# Allegro board STARRYSKY.brd
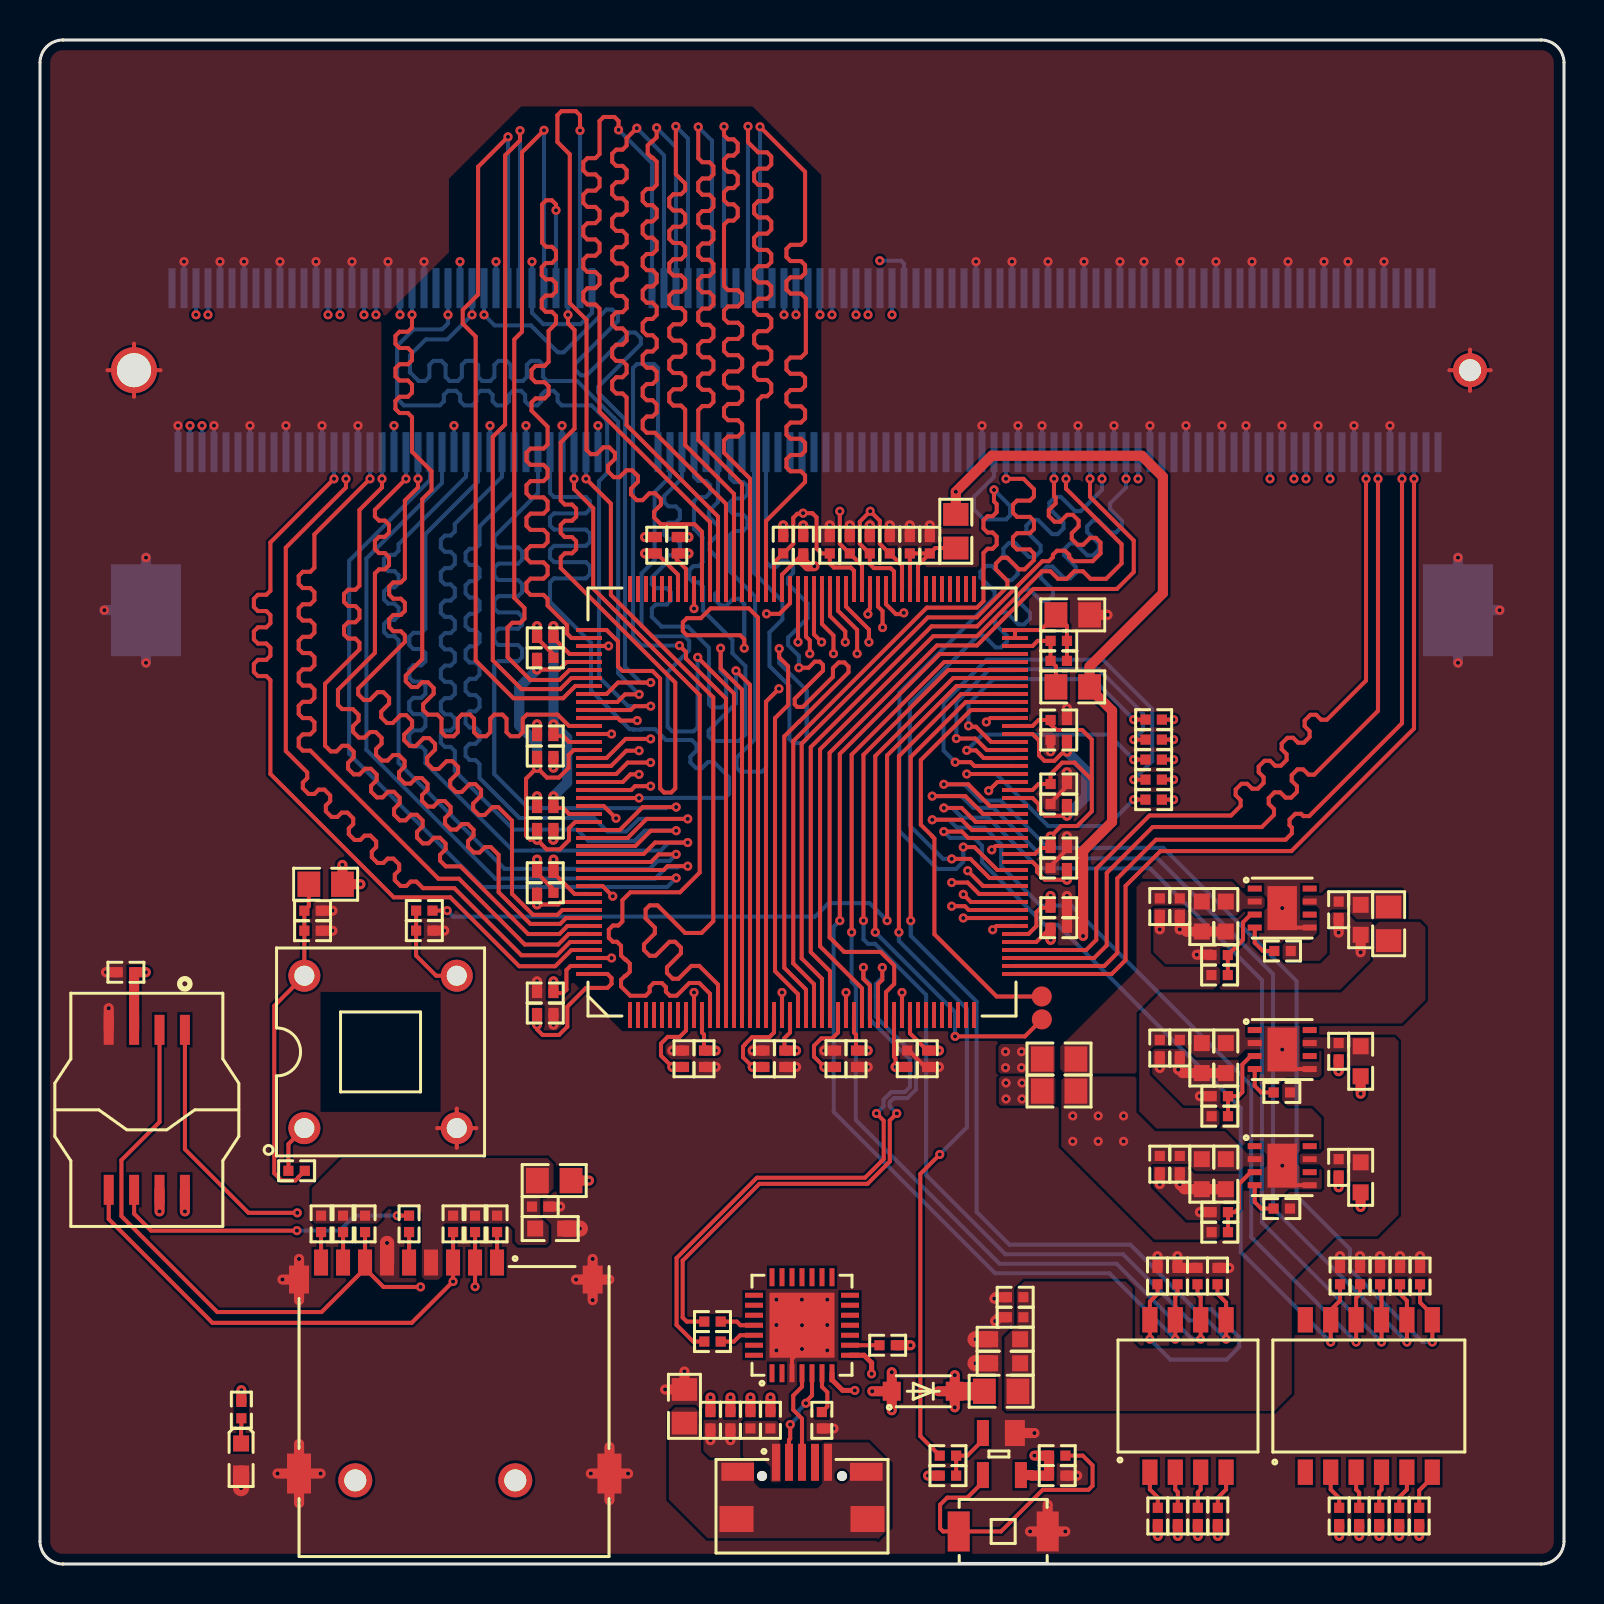
[diagram p0: board, top side]
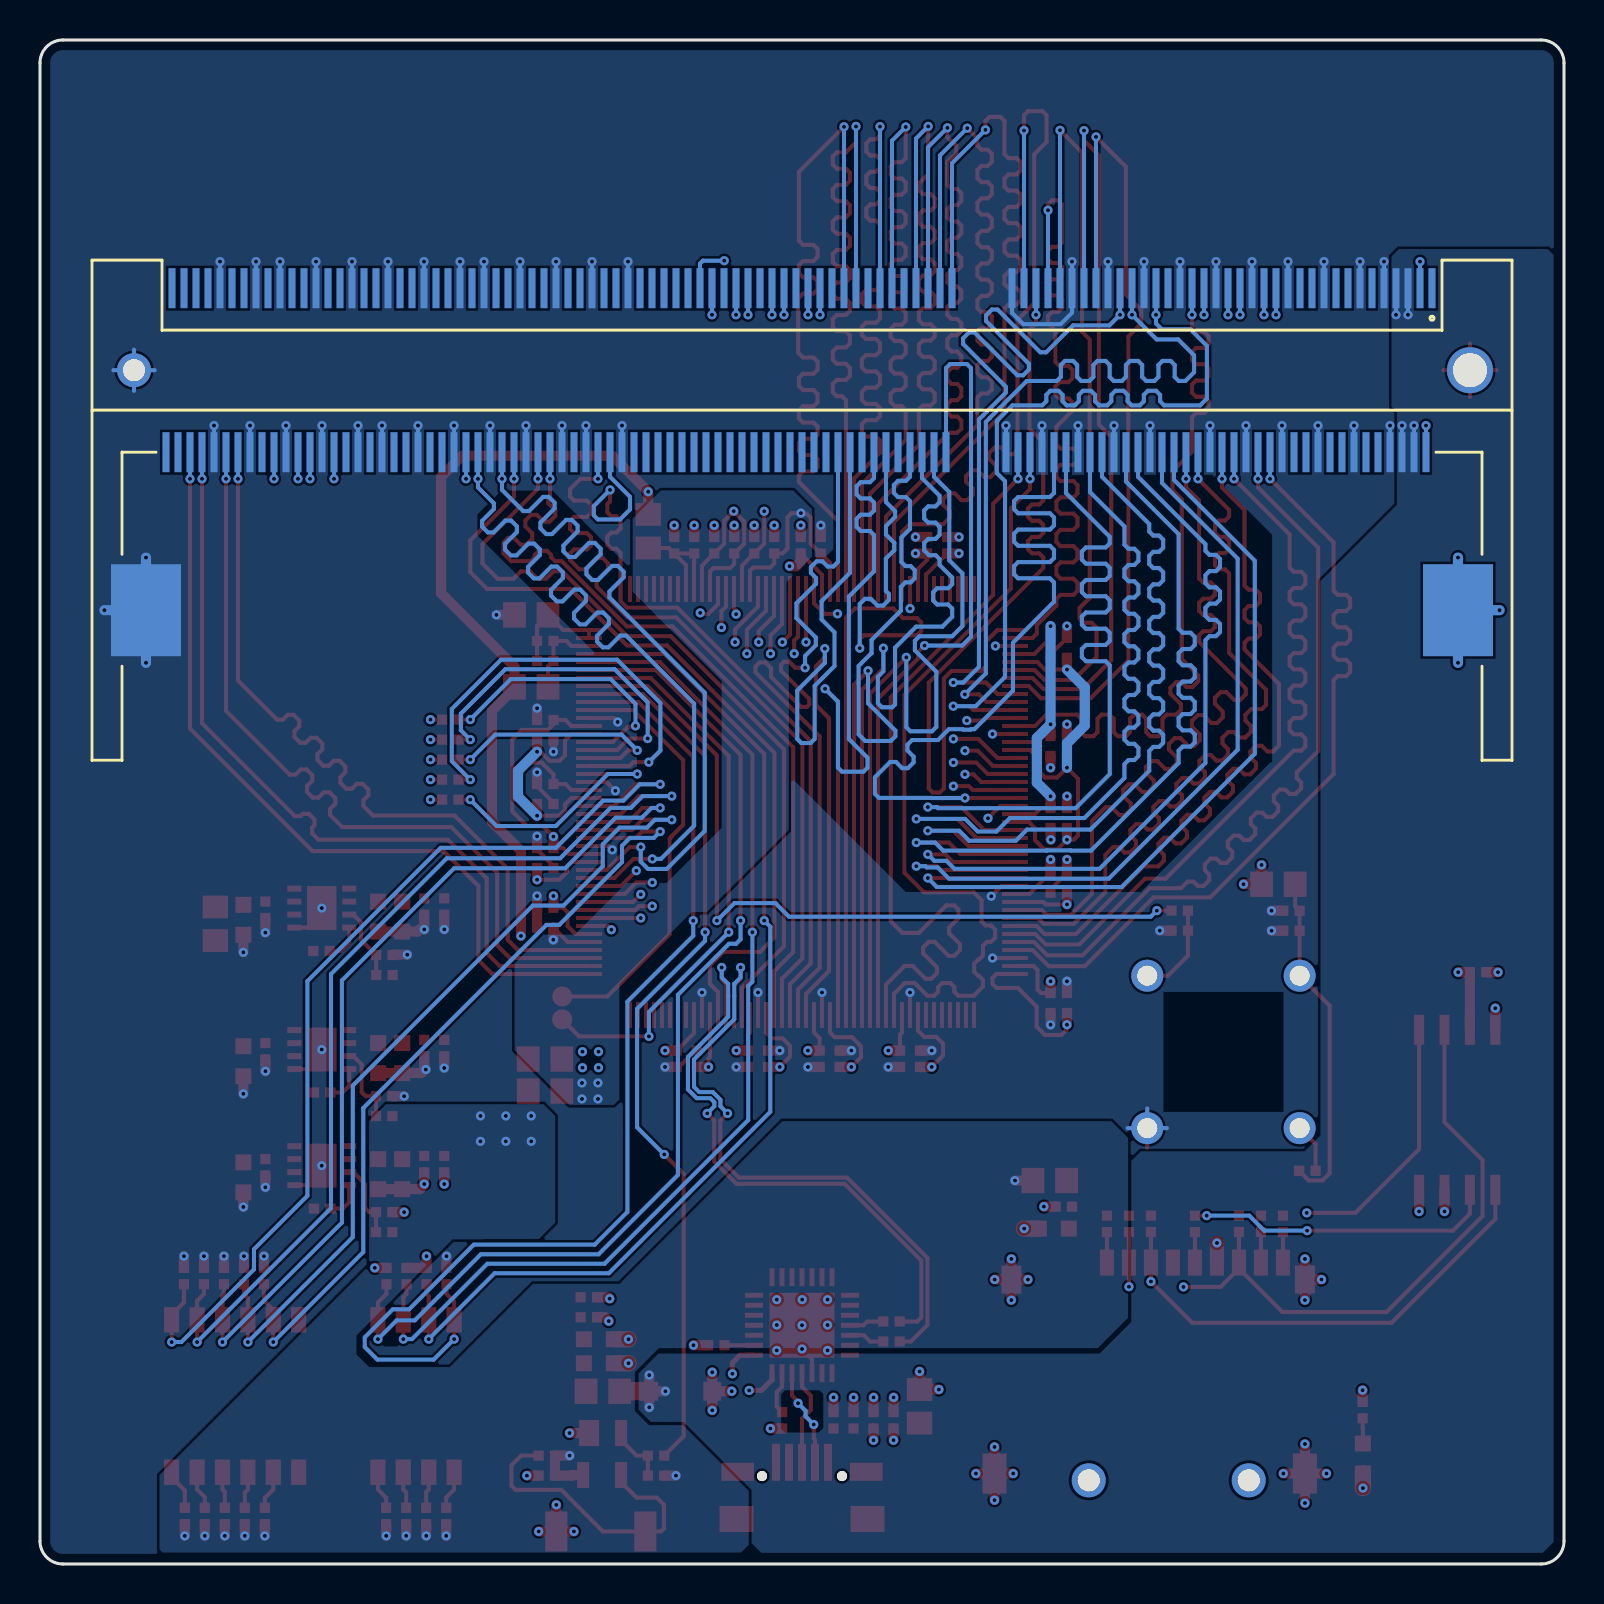
[diagram p1: board, bottom side, seen from below]

Outline 76.2 x 76.2 mm; copper layers: TOP, GND02, ART03, BOTTOM. Coordinates in mm from the lower left corner of the outline.
Outline path: 0,75.06 0,1.14 arc(0.33,0.33) 1.14,0 75.06,0 arc(75.87,0.33) 76.2,1.14 76.2,75.06 arc(75.87,75.87) 75.06,76.2 1.14,76.2 arc(0.33,75.87) 0,75.06

## Design rules (mm)
net group UART_DP: nets UART_RX UART_TX
net group USB_DP: nets USB_D+ USB_D-
net group CHIPLINK_MG: nets CHIPLINK_INT CHIPLINK_RX_CLK CHIPLINK_RX_DATA00 CHIPLINK_RX_DATA01 CHIPLINK_RX_DATA02 CHIPLINK_RX_DATA03 CHIPLINK_RX_DATA04 CHIPLINK_RX_DATA05 CHIPLINK_RX_DATA06 CHIPLINK_RX_DATA07 CHIPLINK_RX_DATA08 CHIPLINK_RX_DATA09 CHIPLINK_RX_DATA10 CHIPLINK_RX_DATA11 CHIPLINK_RX_DATA12 CHIPLINK_RX_DATA13 CHIPLINK_RX_DATA14 CHIPLINK_RX_DATA15 CHIPLINK_RX_DATA16 CHIPLINK_RX_DATA17 CHIPLINK_RX_DATA18 CHIPLINK_RX_DATA19 CHIPLINK_RX_DATA20 CHIPLINK_RX_DATA21 CHIPLINK_RX_DATA22 CHIPLINK_RX_DATA23 CHIPLINK_RX_DATA24 CHIPLINK_RX_DATA25 CHIPLINK_RX_DATA26 CHIPLINK_RX_DATA27 CHIPLINK_RX_DATA28 CHIPLINK_RX_DATA29 CHIPLINK_RX_DATA30 CHIPLINK_RX_DATA31 CHIPLINK_RX_RST CHIPLINK_RX_SEND CHIPLINK_TX_CLK CHIPLINK_TX_DATA00 CHIPLINK_TX_DATA01 CHIPLINK_TX_DATA02 CHIPLINK_TX_DATA03 CHIPLINK_TX_DATA04 CHIPLINK_TX_DATA05 CHIPLINK_TX_DATA06 CHIPLINK_TX_DATA07 CHIPLINK_TX_DATA08 CHIPLINK_TX_DATA09 CHIPLINK_TX_DATA10 CHIPLINK_TX_DATA11 CHIPLINK_TX_DATA12 CHIPLINK_TX_DATA13 CHIPLINK_TX_DATA14 CHIPLINK_TX_DATA15 CHIPLINK_TX_DATA16 CHIPLINK_TX_DATA17 CHIPLINK_TX_DATA18 CHIPLINK_TX_DATA19 CHIPLINK_TX_DATA20 CHIPLINK_TX_DATA21 CHIPLINK_TX_DATA22 CHIPLINK_TX_DATA23 CHIPLINK_TX_DATA24 CHIPLINK_TX_DATA25 CHIPLINK_TX_DATA26 CHIPLINK_TX_DATA27 CHIPLINK_TX_DATA28 CHIPLINK_TX_DATA29 CHIPLINK_TX_DATA30 CHIPLINK_TX_DATA31 CHIPLINK_TX_RST CHIPLINK_TX_SEND

## Placement (name value [footprint] x y rotation side)
C1  0.1uF  [C0402]  56.99 19.99 270 top
C2  0.1uF  [C0402]  55.99 19.99 270 top
C3  10uF  [C0603]  58.09 19.49 270 top
C4  10uF  [C0603]  59.29 19.49 270 top
C5  1uF  [C0402]  64.93 19.83 270 top
C6  10uF  [C0603]  66.03 19.33 270 top
C7  15pF  [C0402]  19.22 31.67 0 top
C8  0.1uF  [C0402]  13.63 31.66 0 top
C9  0.1uF  [C0402]  13.63 32.66 0 top
C10  1uF  [C0402]  64.93 25.64 270 top
C11  0.1uF  [C0402]  55.99 25.8 270 top
C12  0.1uF  [C0402]  56.99 25.8 270 top
C13  10uF  [C0603]  58.09 25.3 270 top
C14  10uF  [C0603]  59.29 25.3 270 top
C15  10uF  [C0603]  66.03 25.14 270 top
C16  0.1uF  [C0402]  55.99 32.87 270 top
C17  10uF  [C0603]  66.03 32.21 270 top
C18  0.1uF  [C0402]  56.99 32.87 270 top
C19  10uF  [C0603]  58.09 32.37 270 top
C20  10uF  [C0603]  59.29 32.37 270 top
C21  1uF  [C0402]  64.93 32.71 270 top
C22  10uF  [C0603]  48.26 10.04 180 top
C23  0.1uF  [C0402]  48.76 13.34 180 top
C24  0.1uF  [C0402]  48.76 12.34 180 top
C25  10uF  [C0603]  48.26 11.24 180 top
C26  0.1uF  [C0402]  25.26 36.8 0 top
C27  0.1uF  [C0402]  25.26 45.31 0 top
C28  0.1uF  [C0402]  25.26 33.56 0 top
C29  0.1uF  [C0402]  43.36 25.26 90 top
C30  0.1uF  [C0402]  25.26 40.4 0 top
C31  0.1uF  [C0402]  36.22 25.26 90 top
C32  0.1uF  [C0402]  39.8 25.26 90 top
C33  0.1uF  [C0402]  25.26 27.55 0 top
C34  0.1uF  [C0402]  32.2 25.26 90 top
C35  0.1uF  [C0402]  50.94 31.82 0 top
C36  0.1uF  [C0402]  50.94 38 180 top
C37  0.1uF  [C0402]  50.94 34.8 180 top
C38  0.1uF  [C0402]  25.26 34.56 180 top
C39  0.1uF  [C0402]  25.26 37.8 180 top
C40  0.1uF  [C0402]  25.26 41.4 180 top
C41  0.1uF  [C0402]  50.94 42.2 0 top
C42  0.1uF  [C0402]  25.26 46.31 180 top
C43  0.1uF  [C0402]  33.2 25.26 270 top
C44  0.1uF  [C0402]  37.22 25.26 270 top
C45  0.1uF  [C0402]  40.8 25.26 270 top
C46  0.1uF  [C0402]  44.36 25.26 270 top
C47  0.1uF  [C0402]  50.94 32.82 0 top
C48  0.1uF  [C0402]  50.94 35.8 0 top
C49  0.1uF  [C0402]  50.94 39 0 top
C50  1uF  [C0402]  50.86 4.42 0 top
C51  0.1uF  [C0402]  30.84 50.94 90 top
C52  0.1uF  [C0402]  39.49 50.94 90 top
C53  0.1uF  [C0402]  37.16 50.94 90 top
C54  0.1uF  [C0402]  50.94 41.2 180 top
C55  0.1uF  [C0402]  38.16 50.94 90 top
C56  0.1uF  [C0402]  40.49 50.94 90 top
C57  0.1uF  [C0402]  41.49 50.94 90 top
C58  0.1uF  [C0402]  42.49 50.94 90 top
C59  0.1uF  [C0402]  31.84 50.94 90 top
C60  0.1uF  [C0402]  25.26 28.55 180 top
C61  0.1uF  [C0402]  44.49 50.94 90 top
C62  0.1uF  [C0402]  43.49 50.94 90 top
C63  0.1uF  [C0402]  50.94 46.16 0 top
C64  0.1uF  [C0402]  50.94 45.16 0 top
C65  0.1uF  [C0402]  33.52 7.19 270 top
C66  1uF  [C0402]  34.52 7.19 270 top
C67  1uF  [C0402]  4.3 29.59 180 top
C68  0.1uF  [C0402]  25.01 17.87 0 top
C69  0.1uF  [C0402]  39.09 7.19 270 top
C70  10uF  [C0603]  25.51 16.77 0 top
D1  1N5819  [SOD-123-0R95X0R90]  44.16 8.64 0 top
F1  0805L110SLYR_005  [L0805]  48.06 8.64 0 top
J1  SODIMM-204  [SODIMM-204-2R00X0R35]  38.1 59.69 270 bottom
J2  DIP-OSC  [DIP8-4-7R62X7R62]  17.03 25.6 90 top
J3  USB_MICRO  [USB-MICRO-5-SM]  38.1 3.43 0 top
J4  SD_MICRO  [SD-MICRO-9-SM]  22.85 15.07 0 top
L1  600HM 100MHz 1.5A  [L0805]  14.28 33.99 0 top
L2  600HM 100MHz 1.5A  [L0805]  50.95 23.65 180 top
L3  600HM 100MHz 1.5A  [L0805]  50.95 25.25 180 top
L4  600HM 100MHz 1.5A  [L0805]  67.43 32.01 90 top
L5  600HM 100MHz 1.5A  [L0805]  45.79 51.64 90 top
L6  600HM 100MHz 1.5A  [L0805]  51.64 47.46 0 top
L7  600HM 100MHz 1.5A  [L0805]  51.64 43.86 0 top
L8  600HM 100MHz 1.5A  [L0805]  25.71 19.17 0 top
L9  600HM 100MHz 1.5A  [L0805]  32.22 7.89 270 top
LED1  RED  [LED0603]  10.05 5.28 270 top
R1  56K  [R0402]  58.99 16.59 0 top
R2  330R  [R0402]  10.07 7.7 90 top
R3  33R  [R0402]  19.22 32.67 0 top
R4  1K  [R0402]  62.09 17.77 180 top
R5  10K  [R0402]  58.99 17.59 180 top
R6  4.7K  [R0402]  12.83 19.66 0 top
R7  1K  [R0402]  62.09 23.58 180 top
R8  56K  [R0402]  58.99 22.39 0 top
R9  10K  [R0402]  58.99 23.39 180 top
R10  14K  [R0402]  58.98 29.45 0 top
R11  1K  [R0402]  62.13 30.65 180 top
R12  10K  [R0402]  58.98 30.45 180 top
R13  10K  [R0402]  45.4 4.42 0 top
R14  0R  [R0402]  55.68 38.22 0 top
R15  0R  [R0402]  55.68 39.22 0 top
R16  0R  [R0402]  55.68 40.22 0 top
R17  0R  [R0402]  55.68 41.22 0 top
R18  0R  [R0402]  55.68 42.22 0 top
R19  0R  [R0402]  45.4 5.42 0 top
R20  10K  [R0402]  50.86 5.42 0 top
R21  0R  [R0402]  36.52 7.19 90 top
R22  0R  [R0402]  35.52 7.19 90 top
R23  33R  [R0402]  55.89 2.4 90 top
R24  5K  [R0402]  56.88 14.4 90 top
R25  4.7K  [R0402]  22.85 17.01 270 top
R26  33R  [R0402]  57.89 2.4 90 top
R27  4.7K  [R0402]  21.75 17.01 270 top
R28  5K  [R0402]  58.88 14.4 90 top
R29  4.7K  [R0402]  20.65 17.01 270 top
R30  5K  [R0402]  55.88 14.4 90 top
R31  33R  [R0402]  56.89 2.4 90 top
R32  5K  [R0402]  57.88 14.4 90 top
R33  33R  [R0402]  58.89 2.4 90 top
R34  33R  [R0402]  18.45 17.01 270 top
R35  0R  [R0402]  33.63 12.12 180 top
R36  0R  [R0402]  33.63 11.12 180 top
R37  4.7K  [R0402]  16.25 17.01 270 top
R38  33R  [R0402]  64.96 2.4 90 top
R39  33R  [R0402]  65.96 2.4 90 top
R40  5K  [R0402]  65 14.4 90 top
R41  4.7K  [R0402]  15.15 17.01 270 top
R42  5K  [R0402]  66 14.4 90 top
R43  33R  [R0402]  66.96 2.4 90 top
R44  5K  [R0402]  67 14.4 90 top
R45  4.7K  [R0402]  14.05 17.01 270 top
R46  33R  [R0402]  67.96 2.4 90 top
R47  5K  [R0402]  68 14.4 90 top
R48  33R  [R0402]  68.96 2.4 90 top
R49  5K  [R0402]  69 14.4 90 top
R50  4.7K  [R0402]  42.38 10.94 180 top
SW1  RESET  [SW-2-2R00X1R10-SM]  48.16 1.63 0 top
SW2  SW-CLK  [DIP-SW-4-1R27X0R76-SM]  57.4 8.4 0 top
SW3  SW-CORE  [DIP-SW-6-1R27X0R76-SM]  66.44 8.4 0 top
TP1  CLK4DIV  [TP1X1-1R00-SM]  50.09 28.38 0 top
TP2  OSC_OUT  [TP1X1-1R00-SM]  50.09 27.23 0 top
U1  RT2518GQW  [WDFN-8-0R70X0R30]  62.11 19.92 270 top
U2  RT2518GQW  [WDFN-8-0R70X0R30]  62.11 25.72 270 top
U3  YSYX3-CHIP  [LQFP-176-1R30X0R20]  38.1 38.1 0 top
U4  RT2518GQW  [WDFN-8-0R70X0R30]  62.11 32.8 270 top
U5  MAX811SEUS  [SOT-143-4-1R30X0R60]  47.95 5.5 180 top
U6  CP2102  [QFN-28-0R90X0R25]  38.1 11.94 90 top
U7  ACA-SPI-004-K02  [ACA-SPI-004-K02-SM]  5.34 22.71 0 top

## Library data of the parts
C1-C70 = CAPACITOR-NON-POL
D1 = 1N5819
F1 = FUSE
J1 = SODIMM-204
J2 = DIP8-4
J3 = USB_MICRO
J4 = SD_MICRO
L1-L9 = MAGNETIC-BEAD
LED1 = LED
R1-R50 = RESISTOR
SW1 = BUTTON
SW2 = SW-DIP-4
SW3 = SW-DIP-6
TP1 TP2 = TEST_POINT
U1 U2 U4 = RT2518GQW
U3 = YSYX3-CHIP
U5 = MAX811SEUS
U6 = CP2102
U7 = ACA-SPI-004-K02

## Footprints (pads in the part's own frame, mm; a bottom-side part is the same pattern mirrored in y, then rotated)
ACA-SPI-004-K02-SM
  rect 0.5x1.5 smd: 1(1.905,4) 2(0.635,4) 3(-0.635,4) 4(-1.905,4) 5(-1.905,-4) 6(-0.635,-4) 7(0.635,-4) 8(1.905,-4)
C0402
  rect 0.51x0.51 smd: 1(-0.41,0) 2(0.41,0)
C0603
  rect 0.8x0.8 smd: 1(-0.75,0) 2(0.75,0)
DIP8-4-7R62X7R62
  round 1.6 hole 1: 1(-3.81,3.81) 4(-3.81,-3.81) 5(3.81,-3.81) 8(3.81,3.81)
DIP-SW-4-1R27X0R76-SM
  rect 0.76x1.27 smd: 1(-1.905,-3.81) 2(-0.635,-3.81) 3(0.635,-3.81) 4(1.905,-3.81) 5(1.905,3.81) 6(0.635,3.81) 7(-0.635,3.81) 8(-1.905,3.81)
DIP-SW-6-1R27X0R76-SM
  rect 0.76x1.27 smd: 1(-3.175,-3.81) 2(-1.905,-3.81) 3(-0.635,-3.81) 4(0.635,-3.81) 5(1.905,-3.81) 6(3.175,-3.81) 7(3.175,3.81) 8(1.905,3.81) 9(0.635,3.81) 10(-0.635,3.81) 11(-1.905,3.81) 12(-3.175,3.81)
L0805
  rect 1.14x1.27 smd: 1(-0.84,0) 2(0.84,0)
LED0603
  rect 0.8x0.8 smd: 1(-0.75,0) 2(0.75,0)
LQFP-176-1R30X0R20
  rect 0.2x1.3 smd: 1(-8.6,-10.65) 2(-8.2,-10.65) 3(-7.8,-10.65) 4(-7.4,-10.65) 5(-7,-10.65) 6(-6.6,-10.65) 7(-6.2,-10.65) 8(-5.8,-10.65) 9(-5.4,-10.65) 10(-5,-10.65) 11(-4.6,-10.65) 12(-4.2,-10.65) 13(-3.8,-10.65) 14(-3.4,-10.65) 15(-3,-10.65) 16(-2.6,-10.65) 17(-2.2,-10.65) 18(-1.8,-10.65) 19(-1.4,-10.65) 20(-1,-10.65) 21(-0.6,-10.65) 22(-0.2,-10.65) 23(0.2,-10.65) 24(0.6,-10.65) 25(1,-10.65) 26(1.4,-10.65) 27(1.8,-10.65) 28(2.2,-10.65) 29(2.6,-10.65) 30(3,-10.65) 31(3.4,-10.65) 32(3.8,-10.65) 33(4.2,-10.65) 34(4.6,-10.65) 35(5,-10.65) 36(5.4,-10.65) 37(5.8,-10.65) 38(6.2,-10.65) 39(6.6,-10.65) 40(7,-10.65) 41(7.4,-10.65) 42(7.8,-10.65) 43(8.2,-10.65) 44(8.6,-10.65) 89(8.6,10.65) 90(8.2,10.65) 91(7.8,10.65) 92(7.4,10.65) 93(7,10.65) 94(6.6,10.65) 95(6.2,10.65) 96(5.8,10.65) 97(5.4,10.65) 98(5,10.65) 99(4.6,10.65) 100(4.2,10.65) 101(3.8,10.65) 102(3.4,10.65) 103(3,10.65) 104(2.6,10.65) 105(2.2,10.65) 106(1.8,10.65) 107(1.4,10.65) 108(1,10.65) 109(0.6,10.65) 110(0.2,10.65) 111(-0.2,10.65) 112(-0.6,10.65) 113(-1,10.65) 114(-1.4,10.65) 115(-1.8,10.65) 116(-2.2,10.65) 117(-2.6,10.65) 118(-3,10.65) 119(-3.4,10.65) 120(-3.8,10.65) 121(-4.2,10.65) 122(-4.6,10.65) 123(-5,10.65) 124(-5.4,10.65) 125(-5.8,10.65) 126(-6.2,10.65) 127(-6.6,10.65) 128(-7,10.65) 129(-7.4,10.65) 130(-7.8,10.65) 131(-8.2,10.65) 132(-8.6,10.65)
  rect 1.3x0.2 smd: 45(10.65,-8.6) 46(10.65,-8.2) 47(10.65,-7.8) 48(10.65,-7.4) 49(10.65,-7) 50(10.65,-6.6) 51(10.65,-6.2) 52(10.65,-5.8) 53(10.65,-5.4) 54(10.65,-5) 55(10.65,-4.6) 56(10.65,-4.2) 57(10.65,-3.8) 58(10.65,-3.4) 59(10.65,-3) 60(10.65,-2.6) 61(10.65,-2.2) 62(10.65,-1.8) 63(10.65,-1.4) 64(10.65,-1) 65(10.65,-0.6) 66(10.65,-0.2) 67(10.65,0.2) 68(10.65,0.6) 69(10.65,1) 70(10.65,1.4) 71(10.65,1.8) 72(10.65,2.2) 73(10.65,2.6) 74(10.65,3) 75(10.65,3.4) 76(10.65,3.8) 77(10.65,4.2) 78(10.65,4.6) 79(10.65,5) 80(10.65,5.4) 81(10.65,5.8) 82(10.65,6.2) 83(10.65,6.6) 84(10.65,7) 85(10.65,7.4) 86(10.65,7.8) 87(10.65,8.2) 88(10.65,8.6) 133(-10.65,8.6) 134(-10.65,8.2) 135(-10.65,7.8) 136(-10.65,7.4) 137(-10.65,7) 138(-10.65,6.6) 139(-10.65,6.2) 140(-10.65,5.8) 141(-10.65,5.4) 142(-10.65,5) 143(-10.65,4.6) 144(-10.65,4.2) 145(-10.65,3.8) 146(-10.65,3.4) 147(-10.65,3) 148(-10.65,2.6) 149(-10.65,2.2) 150(-10.65,1.8) 151(-10.65,1.4) 152(-10.65,1) 153(-10.65,0.6) 154(-10.65,0.2) 155(-10.65,-0.2) 156(-10.65,-0.6) 157(-10.65,-1) 158(-10.65,-1.4) 159(-10.65,-1.8) 160(-10.65,-2.2) 161(-10.65,-2.6) 162(-10.65,-3) 163(-10.65,-3.4) 164(-10.65,-3.8) 165(-10.65,-4.2) 166(-10.65,-4.6) 167(-10.65,-5) 168(-10.65,-5.4) 169(-10.65,-5.8) 170(-10.65,-6.2) 171(-10.65,-6.6) 172(-10.65,-7) 173(-10.65,-7.4) 174(-10.65,-7.8) 175(-10.65,-8.2) 176(-10.65,-8.6)
QFN-28-0R90X0R25
  rect 0.9x0.25 smd: 1(-2.4,1.5) 2(-2.4,1) 3(-2.4,0.5) 4(-2.4,0) 5(-2.4,-0.5) 6(-2.4,-1) 7(-2.4,-1.5) 15(2.4,-1.5) 16(2.4,-1) 17(2.4,-0.5) 18(2.4,0) 19(2.4,0.5) 20(2.4,1) 21(2.4,1.5)
  rect 0.25x0.9 smd: 8(-1.5,-2.4) 9(-1,-2.4) 10(-0.5,-2.4) 11(0,-2.4) 12(0.5,-2.4) 13(1,-2.4) 14(1.5,-2.4) 22(1.5,2.4) 23(1,2.4) 24(0.5,2.4) 25(0,2.4) 26(-0.5,2.4) 27(-1,2.4) 28(-1.5,2.4)
  rect 3.25x3.25 smd: 29(0,0)
R0402
  rect 0.51x0.51 smd: 1(-0.41,0) 2(0.41,0)
SD-MICRO-9-SM
  rect 0.7x1.3 smd: 1(0,0) 2(-1.1,0) 3(-2.2,0) 4(-3.3,0) 5(-4.4,0) 6(-5.5,0) 7(-6.6,0) 8(-7.7,0) 9(-8.8,0)
  rect 1x1.4 smd: 10(-9.9,-0.85) 11(4.78,-0.85)
  rect 1.2x2 smd: 12(-9.9,-10.55) 13(5.62,-10.55)
  round 1.7 hole 1.1: 14(-7.09,-10.89) 15(0.91,-10.89)
SOD-123-0R95X0R90
  rect 0.9x0.95 smd: 1(-1.575,0) 2(1.575,0)
SODIMM-204-2R00X0R35
  rect 2x0.35 smd: 1(-4.1,31.5) 2(4.1,31.2) 3(-4.1,30.9) 4(4.1,30.6) 5(-4.1,30.3) 6(4.1,30) 7(-4.1,29.7) 8(4.1,29.4) 9(-4.1,29.1) 10(4.1,28.8) 11(-4.1,28.5) 12(4.1,28.2) 13(-4.1,27.9) 14(4.1,27.6) 15(-4.1,27.3) 16(4.1,27) 17(-4.1,26.7) 18(4.1,26.4) 19(-4.1,26.1) 20(4.1,25.8) 21(-4.1,25.5) 22(4.1,25.2) 23(-4.1,24.9) 24(4.1,24.6) 25(-4.1,24.3) 26(4.1,24) 27(-4.1,23.7) 28(4.1,23.4) 29(-4.1,23.1) 30(4.1,22.8) 31(-4.1,22.5) 32(4.1,22.2) 33(-4.1,21.9) 34(4.1,21.6) 35(-4.1,21.3) 36(4.1,21) 37(-4.1,20.7) 38(4.1,20.4) 39(-4.1,20.1) 40(4.1,19.8) 41(-4.1,19.5) 42(4.1,19.2) 43(-4.1,18.9) 44(4.1,18.6) 45(-4.1,18.3) 46(4.1,18) 47(-4.1,17.7) 48(4.1,17.4) 49(-4.1,17.1) 50(4.1,16.8) 51(-4.1,16.5) 52(4.1,16.2) 53(-4.1,15.9) 54(4.1,15.6) 55(-4.1,15.3) 56(4.1,15) 57(-4.1,14.7) 58(4.1,14.4) 59(-4.1,14.1) 60(4.1,13.8) 61(-4.1,13.5) 62(4.1,13.2) 63(-4.1,12.9) 64(4.1,12.6) 65(-4.1,12.3) 66(4.1,12) 67(-4.1,11.7) 68(4.1,11.4) 69(-4.1,11.1) 70(4.1,10.8) 71(-4.1,10.5) 72(4.1,10.2) 73(-4.1,7.5) 74(4.1,7.2) 75(-4.1,6.9) 76(4.1,6.6) 77(-4.1,6.3) 78(4.1,6) 79(-4.1,5.7) 80(4.1,5.4) 81(-4.1,5.1) 82(4.1,4.8) 83(-4.1,4.5) 84(4.1,4.2) 85(-4.1,3.9) 86(4.1,3.6) 87(-4.1,3.3) 88(4.1,3) 89(-4.1,2.7) 90(4.1,2.4) 91(-4.1,2.1) 92(4.1,1.8) 93(-4.1,1.5) 94(4.1,1.2) 95(-4.1,0.9) 96(4.1,0.6) 97(-4.1,0.3) 98(4.1,0) 99(-4.1,-0.3) 100(4.1,-0.6) 101(-4.1,-0.9) 102(4.1,-1.2) 103(-4.1,-1.5) 104(4.1,-1.8) 105(-4.1,-2.1) 106(4.1,-2.4) 107(-4.1,-2.7) 108(4.1,-3) 109(-4.1,-3.3) 110(4.1,-3.6) 111(-4.1,-3.9) 112(4.1,-4.2) 113(-4.1,-4.5) 114(4.1,-4.8) 115(-4.1,-5.1) 116(4.1,-5.4) 117(-4.1,-5.7) 118(4.1,-6) 119(-4.1,-6.3) 120(4.1,-6.6) 121(-4.1,-6.9) 122(4.1,-7.2) 123(-4.1,-7.5) 124(4.1,-7.8) 125(-4.1,-8.1) 126(4.1,-8.4) 127(-4.1,-8.7) 128(4.1,-9) 129(-4.1,-9.3) 130(4.1,-9.6) 131(-4.1,-9.9) 132(4.1,-10.2) 133(-4.1,-10.5) 134(4.1,-10.8) 135(-4.1,-11.1) 136(4.1,-11.4) 137(-4.1,-11.7) 138(4.1,-12) 139(-4.1,-12.3) 140(4.1,-12.6) 141(-4.1,-12.9) 142(4.1,-13.2) 143(-4.1,-13.5) 144(4.1,-13.8) 145(-4.1,-14.1) 146(4.1,-14.4) 147(-4.1,-14.7) 148(4.1,-15) 149(-4.1,-15.3) 150(4.1,-15.6) 151(-4.1,-15.9) 152(4.1,-16.2) 153(-4.1,-16.5) 154(4.1,-16.8) 155(-4.1,-17.1) 156(4.1,-17.4) 157(-4.1,-17.7) 158(4.1,-18) 159(-4.1,-18.3) 160(4.1,-18.6) 161(-4.1,-18.9) 162(4.1,-19.2) 163(-4.1,-19.5) 164(4.1,-19.8) 165(-4.1,-20.1) 166(4.1,-20.4) 167(-4.1,-20.7) 168(4.1,-21) 169(-4.1,-21.3) 170(4.1,-21.6) 171(-4.1,-21.9) 172(4.1,-22.2) 173(-4.1,-22.5) 174(4.1,-22.8) 175(-4.1,-23.1) 176(4.1,-23.4) 177(-4.1,-23.7) 178(4.1,-24) 179(-4.1,-24.3) 180(4.1,-24.6) 181(-4.1,-24.9) 182(4.1,-25.2) 183(-4.1,-25.5) 184(4.1,-25.8) 185(-4.1,-26.1) 186(4.1,-26.4) 187(-4.1,-26.7) 188(4.1,-27) 189(-4.1,-27.3) 190(4.1,-27.6) 191(-4.1,-27.9) 192(4.1,-28.2) 193(-4.1,-28.5) 194(4.1,-28.8) 195(-4.1,-29.1) 196(4.1,-29.4) 197(-4.1,-29.7) 198(4.1,-30) 199(-4.1,-30.3) 200(4.1,-30.6) 201(-4.1,-30.9) 202(4.1,-31.2) 203(-4.1,-31.5) 204(4.1,-31.8)
  rect 4.6x3.5 smd: MP1(12,32.8) MP2(12,-32.8)
  round 2.3 hole 1.7: MP3(0,33.4)
  round 1.7 hole 1.1: MP4(0,-33.4)
SOT-143-4-1R30X0R60
  rect 1x1.3 smd: 1(-0.8,-1.05)
  rect 0.6x1.3 smd: 2(0.8,-1.05) 3(0.8,1.05) 4(-1.1,1.05)
SW-2-2R00X1R10-SM
  rect 1.1x2 smd: 1(-2.225,0) 2(2.225,0)
TP1X1-1R00-SM
  round 1 smd: 1(0,0)
USB-MICRO-5-SM
  rect 0.4x1.85 smd: 1(-1.3,1.655) 2(-0.65,1.655) 3(0,1.655) 4(0.65,1.655) 5(1.3,1.655)
  rect 1.63x0.9 smd: 6(-3.215,1.18) 7(3.215,1.18)
  rect 1.7x1.3 smd: 8(-3.275,-1.18) 9(3.275,-1.18)
  round 0.51 hole 0.5: 10(-2,0.97) 11(2,0.97)
WDFN-8-0R70X0R30
  rect 0.3x0.7 smd: 1(-0.975,-1.374) 2(-0.325,-1.374) 3(0.325,-1.374) 4(0.975,-1.374) 5(0.975,1.374) 6(0.325,1.374) 7(-0.325,1.374) 8(-0.975,1.374)
  rect 2.2x1.47 smd: 9(0,0)

## Nets
5V_IN: C5.1 C6.1 C10.1 C15.1 C22.1 C23.1 C24.1 C25.1 F1.2 R4.1 R7.1 U1.7(VIN) U2.7(VIN)
5V_VBUS1: C65.1 C66.1 D1.1 R21.2 R22.2 R50.1 U6.7(REGIN) U6.8(VBUS)
5V_VBUS2: D1.2 F1.1 J1.4 J1.5 J1.6 J1.7
GND: C1.2 C2.2 C3.2 C4.2 C5.2 C6.2 C7.2 C8.2 C9.2 C10.2 C11.2 C12.2 C13.2 C14.2 C15.2 C16.2 C17.2 C18.2 C19.2 C20.2 C21.2 C22.2 C23.2 C24.2 C25.2 C26.2 C27.2 C28.2 C29.2 C30.2 C31.2 C32.2 C33.2 C34.2 C35.2 C36.2 C37.2 C38.2 C39.2 C40.2 C41.2 C42.2 C43.2 C44.2 C45.2 C46.2 C47.2 C48.2 C49.2 C50.2 C51.2 C52.2 C53.2 C54.2 C55.2 C56.2 C57.2 C58.2 C59.2 C60.2 C61.2 C62.2 C65.2 C66.2 C67.2 C68.2 C69.2 C70.2 J1.2 J1.3 J1.8 J1.9 J1.13 J1.14 J1.19 J1.20 J1.25 J1.26 J1.31 J1.32 J1.37 J1.38 J1.43 J1.48 J1.49 J1.54 J1.55 J1.60 J1.61 J1.66 J1.71 J1.72 J1.127 J1.128 J1.133 J1.134 J1.138 J1.139 J1.144 J1.145 J1.150 J1.151 J1.155 J1.156 J1.161 J1.162 J1.167 J1.168 J1.172 J1.173 J1.178 J1.179 J1.184 J1.185 J1.189 J1.190 J1.195 J1.196 J1.MP1 J1.MP2 J1.MP3 J1.MP4 J2.4(GND) J4.6(VSS) J4.10(LP1) J4.11(LP2) J4.12(LP3) J4.13(LP4) L6.2 L9.1 LED1.2 R5.2 R9.2 R12.2 R24.2 R28.2 R30.2 R32.2 R40.2 R42.2 R44.2 R47.2 R49.2 SW1.2(P2) U1.5(GND) U1.9(PAD) U2.5(GND) U2.9(PAD) U3.9(VSS#9) U3.20(VSS#20) U3.28(VSS#28) U3.35(VSS#35) U3.51(VSS#51) U3.61(VSS#61) U3.69(VSS#69) U3.77(VSS#77) U3.100(PLL_DVSS12#100) U3.101(PLL_DVSS12#101) U3.102(VSS#102) U3.112(VSS#112) U3.124(VSS#124) U3.135(VSS#135) U3.146(VSS#146) U3.155(VSS#155) U3.165(VSS#165) U3.174(VSS#174) U4.5(GND) U4.9(PAD) U5.1(GND) U6.3(GND#3) U6.29(GND#29) U7.4(GND)
GND_SIGNAL: C63.2 C64.2 L6.1 U3.87(PLL_IO_AVSS33) U3.88(PLL_AVSS33)
VCC_1V2: C16.1 C18.1 C19.1 C20.1 L3.1 R10.1 U4.2(VOUT)
VCC_3V3: C1.1 C2.1 C3.1 C4.1 C50.1 C67.1 L1.2 L2.1 L5.2 L7.2 L8.2 R1.1 R2.2 R13.1 R20.1 R23.1 R26.1 R31.1 R33.1 R38.1 R39.1 R43.1 R46.1 R48.1 U1.2(VOUT) U5.4(VCC) U7.3(WP#) U7.7(HOLD#) U7.8(VCC)
VCC_3V3T: C11.1 C12.1 C13.1 C14.1 L4.1 R8.1 U2.2(VOUT)
VDD: C38.1 C39.1 C40.1 C41.1 C42.1 C43.1 C44.1 C45.1 C46.1 C47.1 C48.1 C49.1 C55.1 C56.1 C57.1 C58.1 C59.1 C60.1 L3.2 U3.10(VDD#10) U3.21(VDD#21) U3.29(VDD#29) U3.36(VDD#36) U3.50(VDD#50) U3.60(VDD#60) U3.68(VDD#68) U3.76(VDD#76) U3.98(PLL_DVDD12#98) U3.99(PLL_DVDD12#99) U3.103(VDD#103) U3.113(VDD#113) U3.125(VDD#125) U3.136(VDD#136) U3.147(VDD#147) U3.156(VDD#156) U3.166(VDD#166) U3.175(VDD#175)
VDDIO: C26.1 C27.1 C28.1 C29.1 C30.1 C31.1 C32.1 C33.1 C34.1 C35.1 C36.1 C37.1 C51.1 C52.1 C53.1 C54.1 L2.2 U3.8(VDDIO#8) U3.19(VDDIO#19) U3.27(VDDIO#27) U3.34(VDDIO#34) U3.49(VDDIO#49) U3.59(VDDIO#59) U3.67(VDDIO#67) U3.75(VDDIO#75) U3.104(VDDIO#104) U3.114(VDDIO#114) U3.126(VDDIO#126) U3.137(VDDIO#137) U3.148(VDDIO#148) U3.157(VDDIO#157) U3.167(VDDIO#167) U3.176(VDDIO#176)
CHIPLINK_INT: J1.146 U3.33(INTERRUPT)
CHIPLINK_RX_CLK: J1.148 U3.58(CHIPLINK_RX_CLK)
CHIPLINK_RX_DATA00: J1.176 U3.55(CHIPLINK_RX_DATA00)
CHIPLINK_RX_DATA01: J1.180 U3.54(CHIPLINK_RX_DATA01)
CHIPLINK_RX_DATA02: J1.182 U3.53(CHIPLINK_RX_DATA02)
CHIPLINK_RX_DATA03: J1.186 U3.52(CHIPLINK_RX_DATA03)
CHIPLINK_RX_DATA04: J1.192 U3.48(CHIPLINK_RX_DATA04)
CHIPLINK_RX_DATA05: J1.194 U3.47(CHIPLINK_RX_DATA05)
CHIPLINK_RX_DATA06: J1.198 U3.46(CHIPLINK_RX_DATA06)
CHIPLINK_RX_DATA07: J1.200 U3.45(CHIPLINK_RX_DATA07)
CHIPLINK_RX_DATA08: J1.69 U3.123(CHIPLINK_RX_DATA08)
CHIPLINK_RX_DATA09: J1.73 U3.122(CHIPLINK_RX_DATA09)
CHIPLINK_RX_DATA10: J1.75 U3.121(CHIPLINK_RX_DATA10)
CHIPLINK_RX_DATA11: J1.77 U3.120(CHIPLINK_RX_DATA11)
CHIPLINK_RX_DATA12: J1.79 U3.119(CHIPLINK_RX_DATA12)
CHIPLINK_RX_DATA13: J1.83 U3.118(CHIPLINK_RX_DATA13)
CHIPLINK_RX_DATA14: J1.85 U3.117(CHIPLINK_RX_DATA14)
CHIPLINK_RX_DATA15: J1.89 U3.116(CHIPLINK_RX_DATA15)
CHIPLINK_RX_DATA16: J1.91 U3.115(CHIPLINK_RX_DATA16)
CHIPLINK_RX_DATA17: J1.95 U3.111(CHIPLINK_RX_DATA17)
CHIPLINK_RX_DATA18: J1.97 U3.110(CHIPLINK_RX_DATA18)
CHIPLINK_RX_DATA19: J1.101 U3.109(CHIPLINK_RX_DATA19)
CHIPLINK_RX_DATA20: J1.103 U3.108(CHIPLINK_RX_DATA20)
CHIPLINK_RX_DATA21: J1.107 U3.107(CHIPLINK_RX_DATA21)
CHIPLINK_RX_DATA22: J1.109 U3.106(CHIPLINK_RX_DATA22)
CHIPLINK_RX_DATA23: J1.113 U3.105(CHIPLINK_RX_DATA23)
CHIPLINK_RX_DATA24: J1.67 U3.133(CHIPLINK_RX_DATA24)